# Altium PCB JMU-ETA-Ruler V1.0.PcbDoc (part 1 of 2)
Units mil, origin at the board's own origin, x right, y up, seen from the top; angles counter-clockwise.
Board outline 6151.76 x 960.54 mil, 2 copper layers (Top Layer, Bottom Layer); 27 components, 0 nets, 843 pads, 6 vias.
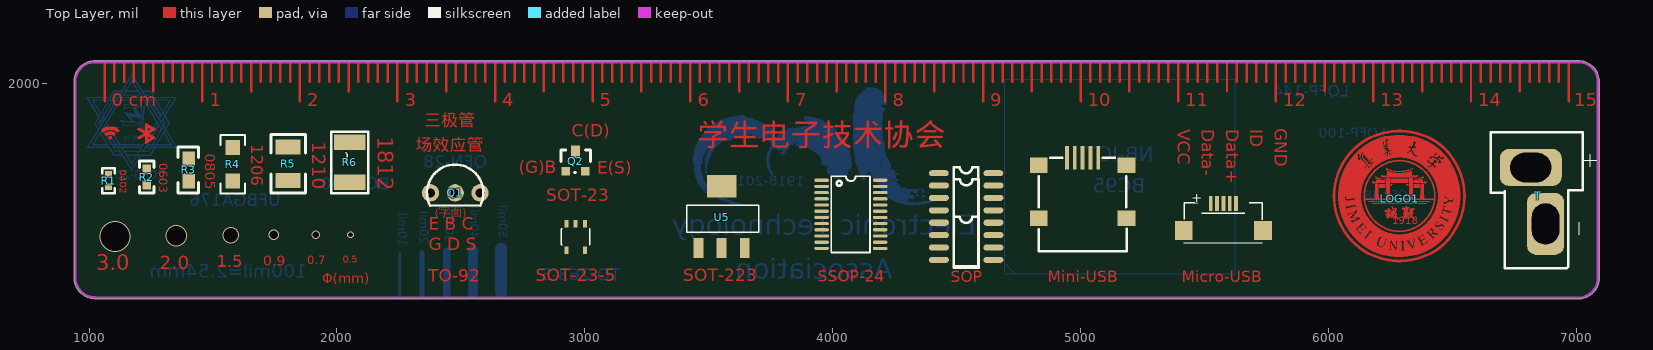
[diagram p0: Top Layer view]
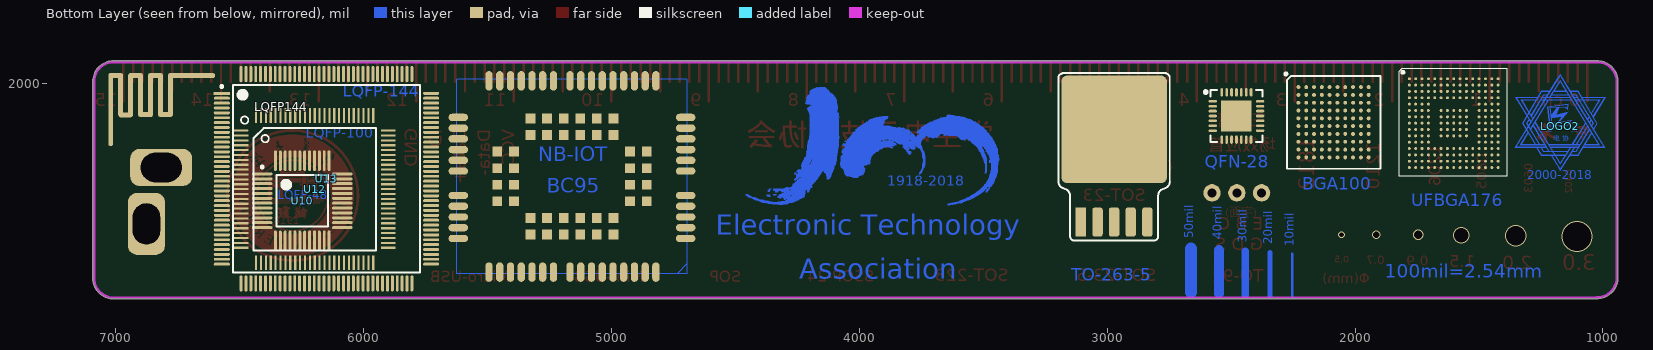
[diagram p1: Bottom Layer view, seen from below]

## Layer stack, top to bottom
Top Solder: solder mask 0.4, Solder Resist, Dk 3.5
Top Layer: signal copper 1.4
Dielectric 1: dielectric 12.6, FR-4, Dk 4.8
Bottom Layer: signal copper 1.4
Bottom Solder: solder mask 0.4, Solder Resist, Dk 3.5

## Board outline
939.87,1216.63 939.87,2007.87 cw(c1023.62,2007.87) 1023.62,2091.63 7007.87,2091.63 cw(c7007.87,2007.87) 7091.63,2007.87 cw(c7086.61,2007.87) 7091.63,2007.84 7091.63,1207 cw(c7086.61,1207) 7091,1204.56 cw(c7007.87,1214.84) 7007.87,1131.09 1024.35,1131.09 cw(c1024.35,1136.1) 1021.19,1132.21 cw(c1024.35,1216.63)

## Design rules (kind name [scope] priority, off if disabled: settings)
Clearance [All] p1: gap=10 ignorepadtopadclearanceinfootprint=FALSE except(0: Arc-Hole Track-Hole SMDPad-Hole THPad-Hole Via-Hole Fill-Hole Poly-Hole Region-Hole Text-Hole)
ComponentClearance [All] p1 off: gap=0 collisioncheckmode=3 verticalgap=0 showdistances=FALSE
PolygonConnect [All] p1: connectstyle=Relief reliefconductorwidth=10 reliefentries=4 polygonreliefangle="90 Angle" airgapwidth=10
RoutingVias [All] p1: holewidth=28 width=50 viastyle="Through Hole" minholewidth=28 minwidth=50 maxholewidth=28 maxwidth=50
SolderMaskExpansion [All] p1: expansion=4
Width [All] p1: maxlimit=393.7 minlimit=10 preferedwidth=10
29 further rules are at their usual default settings.

## Classes and differential pairs
component class 电协ruler: LOGO1 LOGO2 Q1 Q2 R1 R2 R3 R4 R5 R6 T U5 U10 U12 U13

## Components (designator, comment, footprint, x,y, rotation, side; value= is the part's Value field where it differs from the comment)
LOGO1 "JMU_LOGO" JMU_LOGO(1.35cm) 6288,1536 r0 top
LOGO2 "电协LOGO" 电协LOGO 1172,1828 r180 bottom locked
Q1 "NPN" TO-92 2376,1558 r270 top
Q2 "NPN" SOT-23 2923.13,1646 r0 top
R1 "1K" 0402R 1078.74,1583.15 r90 top
R2 "1K" 0603R 1231.3,1594.58 r90 top
R3 "1K" 0805R 1401.57,1651.15 r270 top
R4 "1K" 1206R 1578.74,1676.25 r270 top
R5 "1K" 1210R 1803.15,1609.15 r90 top
R6 "1K" 1812 2052.17,1596.46 r90 top
T "T型头" T型头 6814,1676 r270 top
U5 "AMS1117_3.3/5.0V" SOT-223 3552,1461 r90 top
U7 "CP2102" QFN-28 2574,1928 r270 bottom
U10 "STM32F103C8T6" LQFP-48 6247,1527 r180 bottom
U12 "C8051F020" LQFP-100 6374,1755 r180 bottom
U13 "STM32F407ZET6" LQFP-144 6485,1956 r180 bottom
? "Comment" SO-16 4428,1638.07 r0 top
? "Comment" USBFOOT 5008,1579 r90 top
? "Comment" micro-USB 5581,1432 r0 top
? "Comment" UFBGA176_25 1602,1840 r180 bottom locked
? "Comment" JMU100 4156,1885 r180 top
? "Comment" SSOP-24 3955,1612 r0 top
? "Comment" TO-263-5 2972,1628 r180 bottom
? "Comment" SOT-23-5L 2963,1381 r270 top
? "Comment" "2.4G wifi" 6931.1,1918.31 r90 bottom
? "Comment" SOP-14 4437,1588.07 r0 top
? "Comment" so-8 4428,1438.07 r0 top

## Footprints (in the part's own frame and the unit in brackets; to place one, negate y for a bottom-side part, rotate by r counter-clockwise, add the part's x,y. Pads: shape width x height; smd on the part's side, far side on the other; paste and mask are expansions set on the pad)
"2.4G wifi" [mm]
  oval 0.5x1.5 smd: 1(-1.14,0.72) 1(-1.12,-1.32) 1(-1.11,-3.36) 1(2.9,-2.34) 1(2.9,-0.3) 1(2.9,1.74)
  oval 7.5x0.5 smd: 1(-0.6,2.25)
  oval 4.5x0.5 smd: 1(0.89,-3.87) 1(0.89,-2.85) 1(0.89,-1.83) 1(0.89,-0.81) 1(0.89,0.21) 1(0.89,1.23)
  oval 0.5x4.8 smd: 1(2.89,-6.05)
0402R [mm]
  rect 0.7x0.7 smd: 1(0,0) 2(1.27,0)
  silkscreen extent -0.64,-0.64 1.91,0.64, body extent 0.21,-0.2 1.21,0.3, height 0.35
0603R [mil]
  rect 40x35 smd: 1(-2,-1) 2(58,-1)
  silkscreen extent -35,-30 92,28, body extent -5,-17 61,15, height 22
0805R [mil]
  rect 60x50 smd: 1(-45,0) 2(45,0)
  silkscreen extent -92,-42 92,41, body extent -38,-25 40,25, height 22
1206R [mil]
  rect 60x60 smd: 1(-65.9,1.2) 2(69.1,1.2)
  silkscreen extent -116,-49 119,51, body extent -63,-30 63,33, height 24
1210R [mil]
  rect 60x100 smd: 1(0,0) 2(135,0)
  silkscreen extent -50,-70 185,70, body extent -12,-49 146,49, height 67
1812 [mm]
  rect 1.6x3.2 smd: 1(0.127,0) 2(4.227,0)
  silkscreen extent -0.97,-1.9 5.33,1.9, body extent -0.07,-1.6 4.43,1.6, height 1.6
JMU100 [mil]
  Bottom Layer drawing of 979 lines, arcs and shapes, not listed
JMU_LOGO(1.35cm) [mil]
  Top Layer drawing of 2455 lines, arcs and shapes, not listed
LQFP-48 [mm]
  oval 2.1x0.3 smd: 1(-4.1,2.75) 2(-4.1,2.25) 3(-4.1,1.75) 4(-4.1,1.25) 5(-4.1,0.75) 6(-4.1,0.25) 7(-4.1,-0.25) 8(-4.1,-0.75) 9(-4.1,-1.25) 10(-4.1,-1.75) 11(-4.1,-2.25) 12(-4.1,-2.75) 25(4.1,-2.75) 26(4.1,-2.25) 27(4.1,-1.75) 28(4.1,-1.25) 29(4.1,-0.75) 30(4.1,-0.25) 31(4.1,0.25) 32(4.1,0.75) 33(4.1,1.25) 34(4.1,1.75) 35(4.1,2.25) 36(4.1,2.75)
  oval 0.3x2.1 smd: 13(-2.75,-4.1) 14(-2.25,-4.1) 15(-1.75,-4.1) 16(-1.25,-4.1) 17(-0.75,-4.1) 18(-0.25,-4.1) 19(0.25,-4.1) 20(0.75,-4.1) 21(1.25,-4.1) 22(1.75,-4.1) 23(2.25,-4.1) 24(2.75,-4.1) 37(2.75,4.1) 38(2.25,4.1) 39(1.75,4.1) 40(1.25,4.1) 41(0.75,4.1) 42(0.25,4.1) 43(-0.25,4.1) 44(-0.75,4.1) 45(-1.25,4.1) 46(-1.75,4.1) 47(-2.25,4.1) 48(-2.75,4.1)
  silkscreen extent -4.23,-2.65 2.65,3.57, body extent -4.5,-4.5 4.5,4.5, height 1.5
LQFP-100 [mm]
  oval 1.5x0.22 smd: 1(-3.048,1.397)
  rect 1.5x0.22 smd: 2(-3.048,0.897) 3(-3.048,0.397) 4(-3.048,-0.103) 5(-3.048,-0.603) 6(-3.048,-1.103) 7(-3.048,-1.603) 8(-3.048,-2.103) 9(-3.048,-2.603) 10(-3.048,-3.103) 11(-3.048,-3.603) 12(-3.048,-4.103) 13(-3.048,-4.603) 14(-3.048,-5.103) 15(-3.048,-5.603) 16(-3.048,-6.103) 17(-3.048,-6.603) 18(-3.048,-7.103) 19(-3.048,-7.603) 20(-3.048,-8.103) 21(-3.048,-8.603) 22(-3.048,-9.103) 23(-3.048,-9.603) 24(-3.048,-10.103) 25(-3.048,-10.603) 51(12.05,-10.603) 52(12.05,-10.103) 53(12.05,-9.603) 54(12.05,-9.103) 55(12.05,-8.603) 56(12.05,-8.103) 57(12.05,-7.603) 58(12.05,-7.103) 59(12.05,-6.603) 60(12.05,-6.103) 61(12.05,-5.603) 62(12.05,-5.103) 63(12.05,-4.603) 64(12.05,-4.103) 65(12.05,-3.603) 66(12.05,-3.103) 67(12.05,-2.603) 68(12.05,-2.103) 69(12.05,-1.603) 70(12.05,-1.103) 71(12.05,-0.603) 72(12.05,-0.103) 73(12.05,0.397) 74(12.05,0.897) 75(12.05,1.397)
  rect 0.22x1.5 smd: 26(-1.499,-12.152) 27(-0.999,-12.152) 28(-0.499,-12.152) 29(0.001,-12.152) 30(0.501,-12.152) 31(1.001,-12.152) 32(1.501,-12.152) 33(2.001,-12.152) 34(2.501,-12.152) 35(3.001,-12.152) 36(3.501,-12.152) 37(4.001,-12.152) 38(4.501,-12.152) 39(5.001,-12.152) 40(5.501,-12.152) 41(6.001,-12.152) 42(6.501,-12.152) 43(7.001,-12.152) 44(7.501,-12.152) 45(8.001,-12.152) 46(8.501,-12.152) 47(9.001,-12.152) 48(9.501,-12.152) 49(10.001,-12.152) 50(10.501,-12.152) 76(10.501,2.946) 77(10.001,2.946) 78(9.501,2.946) 79(9.001,2.946) 80(8.501,2.946) 81(8.001,2.946) 82(7.501,2.946) 83(7.001,2.946) 84(6.501,2.946) 85(6.001,2.946) 86(5.501,2.946) 87(5.001,2.946) 88(4.501,2.946) 89(4.001,2.946) 90(3.501,2.946) 91(3.001,2.946) 92(2.501,2.946) 93(2.001,2.946) 94(1.501,2.946) 95(1.001,2.946) 96(0.501,2.946) 97(0.001,2.946) 98(-0.499,2.946) 99(-0.999,2.946) 100(-1.499,2.946)
  silkscreen extent -3.06,-10.87 10.76,2.86, body extent -3.57,-12.68 12.57,3.47, height 1.62
LQFP-144 [mm]
  rect 1.651x0.3 smd: 1(-2.199,0.11)
  oval 1.651x0.3 smd: 2(-2.199,-0.39) 3(-2.199,-0.89) 4(-2.199,-1.39) 5(-2.199,-1.89) 6(-2.199,-2.39) 7(-2.199,-2.89) 8(-2.199,-3.39) 9(-2.199,-3.89) 10(-2.199,-4.39) 11(-2.199,-4.89) 12(-2.199,-5.39) 13(-2.199,-5.89) 14(-2.199,-6.39) 15(-2.199,-6.89) 16(-2.199,-7.39) 17(-2.199,-7.89) 18(-2.199,-8.39) 19(-2.199,-8.89) 20(-2.199,-9.39) 21(-2.199,-9.89) 22(-2.199,-10.39) 23(-2.199,-10.89) 24(-2.199,-11.39) 25(-2.199,-11.89) 26(-2.199,-12.39) 27(-2.199,-12.89) 28(-2.199,-13.39) 29(-2.199,-13.89) 30(-2.199,-14.39) 31(-2.199,-14.89) 32(-2.199,-15.39) 33(-2.199,-15.89) 34(-2.199,-16.39) 35(-2.199,-16.89) 36(-2.199,-17.39) 73(19.251,-17.39) 74(19.251,-16.89) 75(19.251,-16.39) 76(19.251,-15.89) 77(19.251,-15.39) 78(19.251,-14.89) 79(19.251,-14.39) 80(19.251,-13.89) 81(19.251,-13.39) 82(19.251,-12.89) 83(19.251,-12.39) 84(19.251,-11.89) 85(19.251,-11.39) 86(19.251,-10.89) 87(19.251,-10.39) 88(19.251,-9.89) 89(19.251,-9.39) 90(19.251,-8.89) 91(19.251,-8.39) 92(19.251,-7.89) 93(19.251,-7.39) 94(19.251,-6.89) 95(19.251,-6.39) 96(19.251,-5.89) 97(19.251,-5.39) 98(19.251,-4.89) 99(19.251,-4.39) 100(19.251,-3.89) 101(19.251,-3.39) 102(19.251,-2.89) 103(19.251,-2.39) 104(19.251,-1.89) 105(19.251,-1.39) 106(19.251,-0.89) 107(19.251,-0.39) 108(19.251,0.11)
  oval 0.3x1.651 smd: 37(-0.224,-19.365) 38(0.276,-19.365) 39(0.776,-19.365) 40(1.276,-19.365) 41(1.776,-19.365) 42(2.276,-19.365) 43(2.776,-19.365) 44(3.276,-19.365) 45(3.776,-19.365) 46(4.276,-19.365) 47(4.776,-19.365) 48(5.276,-19.365) 49(5.776,-19.365) 50(6.276,-19.365) 51(6.776,-19.365) 52(7.276,-19.365) 53(7.776,-19.365) 54(8.276,-19.365) 55(8.776,-19.365) 56(9.276,-19.365) 57(9.776,-19.365) 58(10.276,-19.365) 59(10.776,-19.365) 60(11.276,-19.365) 61(11.776,-19.365) 62(12.276,-19.365) 63(12.776,-19.365) 64(13.276,-19.365) 65(13.776,-19.365) 66(14.276,-19.365) 67(14.776,-19.365) 68(15.276,-19.365) 69(15.776,-19.365) 70(16.276,-19.365) 71(16.776,-19.365) 72(17.276,-19.365) 109(17.276,2.085) 110(16.776,2.085) 111(16.276,2.085) 112(15.776,2.085) 113(15.276,2.085) 114(14.776,2.085) 115(14.276,2.085) 116(13.776,2.085) 117(13.276,2.085) 118(12.776,2.085) 119(12.276,2.085) 120(11.776,2.085) 121(11.276,2.085) 122(10.776,2.085) 123(10.276,2.085) 124(9.776,2.085) 125(9.276,2.085) 126(8.776,2.085) 127(8.276,2.085) 128(7.776,2.085) 129(7.276,2.085) 130(6.776,2.085) 131(6.276,2.085) 132(5.776,2.085) 133(5.276,2.085) 134(4.776,2.085) 135(4.276,2.085) 136(3.776,2.085) 137(3.276,2.085) 138(2.776,2.085) 139(2.276,2.085) 140(1.776,2.085) 141(1.276,2.085) 142(0.776,2.085) 143(0.276,2.085) 144(-0.224,2.085)
  silkscreen extent -2.32,-18.24 18.13,0.96, body extent -2.47,-19.64 19.53,2.36, height 1.6
micro-USB [mm]
  rect 0.4x1.55 smd: 1(-1.423,2.116) 2(-0.773,2.116) 3(-0.123,2.116) 4(0.527,2.116) 5(1.177,2.116)
  rect 1.8x1.9 smd: 6(-4.173,-0.634) 6(3.927,-0.634)
  silkscreen extent -4.17,-1.88 3.88,2.22, body extent -4.07,-2.7 3.88,3.08, height 2.47
QFN-28 [mm]
  rect 3.13x3.13 smd mask+0.051: 0(1.5,2.425)
  oval 0.28x0.85 smd mask+0.051: 1(0,0) 2(0.5,0) 3(1,0) 4(1.5,0) 5(2,0) 6(2.5,0) 7(3,0) 15(3,4.85) 16(2.5,4.85) 17(2,4.85) 18(1.5,4.85) 19(1,4.85) 20(0.5,4.85) 21(0,4.85)
  oval 0.85x0.28 smd mask+0.051: 8(3.925,0.925) 9(3.925,1.425) 10(3.925,1.925) 11(3.925,2.425) 12(3.925,2.925) 13(3.925,3.425) 14(3.925,3.925) 22(-0.925,3.925) 23(-0.925,3.425) 24(-0.925,2.925) 25(-0.925,2.425) 26(-0.925,1.925) 27(-0.925,1.425) 28(-0.925,0.925)
  silkscreen extent -1.15,-0.87 4.15,5.07, body extent -1,-0.06 4,4.94, height 1
so-8 [mil]
  oval 80x24 smd: 1(0,0) 2(0,-50) 3(0,-100) 4(0,-150) 5(220,-150) 6(220,-100) 7(220,-50) 8(220,0)
  silkscreen extent 60,-175 160,25, body extent -10,-171 217,22, height 57
SO-16 [mil]
  oval 80x24 smd: 1(0,0) 2(0,-50) 3(0,-100) 4(0,-150) 5(0,-200) 6(0,-250) 7(0,-300) 8(0,-350) 9(220,-350) 10(220,-300) 11(220,-250) 12(220,-200) 13(220,-150) 14(220,-100) 15(220,-50) 16(220,0)
  silkscreen extent 60,-375 160,25, body extent -12,-378 224,24, height 67
SOP-14 [mil]
  oval 80x24 smd: 1(-8.54,0.68) 2(-8.54,-49.32) 3(-8.54,-99.32) 4(-8.54,-149.32) 5(-8.54,-199.32) 6(-8.54,-249.32) 7(-8.54,-299.32) 8(211.46,-299.32) 9(211.46,-249.32) 10(211.46,-199.32) 11(211.46,-149.32) 12(211.46,-99.32) 13(211.46,-49.32) 14(211.46,0.68)
  silkscreen extent 51,-331 151,26, body extent -43,-349 244,52, height 43
SOT-23 [mil]
  rect 36x36 smd: 1(0,0) 2(78.74,0)
  rect 36x50 smd: 3(39.37,78.74)
  silkscreen extent -20,-5 99,85, body extent -20,-18 98,81, height 41
SOT-23-5L [mil] "Enhanced single channel power switches"
  rect 30x16 smd: 1(-53.15,37.4) 2(-53.15,0) 3(-53.15,-37.4) 4(53.15,-37.4) 5(53.15,37.4)
  silkscreen extent -33,-58 32,57, body extent -34,-59 34,59, height 57
SOT-223 [mil] "Adjustable and fixed low drop positive voltage regulator"
  rect 80x40 smd: 1(-125,93) 2(-125,0) 3(-125,-93)
  rect 90x120 smd: 4(125,0)
  silkscreen extent -62,-149 48,141, body extent -84,-132 62,132, height 71
SSOP-24 [mm]
  oval 1.5x0.33 smd: 1(0,-0.057) 2(0,-0.692) 3(0,-1.327) 4(0,-1.962) 5(0,-2.597) 6(0,-3.232) 7(0,-3.867) 8(0,-4.502) 9(0,-5.137) 10(0,-5.772) 11(0,-6.407) 12(0,-7.042) 13(6,-7.042) 14(6,-6.407) 15(6,-5.772) 16(6,-5.137) 17(6,-4.502) 18(6,-3.867) 19(6,-3.232) 20(6,-2.597) 21(6,-1.962) 22(6,-1.327) 23(6,-0.692) 24(6,-0.057)
  silkscreen extent 0.99,-7.45 4.98,0.35, body extent -0.98,-7.83 6.93,0.57, height 2.27
TO-92 [mil]
  round 70 hole 36: 1(-1,1) 2(-1,101) 3(-1,201)
  silkscreen extent -115,-13 51,215, body extent -101,-25 64,201, height 328
TO-263-5 [mm]
  rect 1.07x3 smd: 1(-3.4,-4.75)
  rrect50% 1.07x3 smd: 2(-1.7,-4.75) 3(0,-4.75) 4(1.7,-4.75) 5(3.4,-4.75)
  rrect10% 10.8x11 smd: 3(0,4.75)
  silkscreen extent -5.7,-6.66 5.7,10.5, body extent -5.14,-4.8 5.09,9.55, height 4.48
T型头 [mil]
  rrect50% 150x250 hole 120 slot 165.35 at 90 deg: 1(14.7,2.1)
  rrect50% 250x150 hole 110 slot 165.35 at 0 deg: 2(242.42,61.67)
  silkscreen extent -128,-159 421,267, body extent -105,-124 368,163, height 555
UFBGA176_25 [mm] "BGA, 1-Leads, Body 10.00x10.00mmx0.60mm, Pitch 0.65mm"
  round 0.3 smd paste-0.15 mask+0.051: A1(-4.55,4.55) A2(-3.9,4.55) A3(-3.25,4.55) A4(-2.6,4.55) A5(-1.95,4.55) A6(-1.3,4.55) A7(-0.65,4.55) A8(0,4.55) A9(0.65,4.55) A10(1.3,4.55) A11(1.95,4.55) A12(2.6,4.55) A13(3.25,4.55) A14(3.9,4.55) A15(4.55,4.55) B1(-4.55,3.9) B2(-3.9,3.9) B3(-3.25,3.9) B4(-2.6,3.9) B5(-1.95,3.9) B6(-1.3,3.9) B7(-0.65,3.9) B8(0,3.9) B9(0.65,3.9) B10(1.3,3.9) B11(1.95,3.9) B12(2.6,3.9) B13(3.25,3.9) B14(3.9,3.9) B15(4.55,3.9) C1(-4.55,3.25) C2(-3.9,3.25) C3(-3.25,3.25) C4(-2.6,3.25) C5(-1.95,3.25) C6(-1.3,3.25) C7(-0.65,3.25) C8(0,3.25) C9(0.65,3.25) C10(1.3,3.25) C11(1.95,3.25) C12(2.6,3.25) C13(3.25,3.25) C14(3.9,3.25) C15(4.55,3.25) D1(-4.55,2.6) D2(-3.9,2.6) D3(-3.25,2.6) D4(-2.6,2.6) D5(-1.95,2.6) D6(-1.3,2.6) D7(-0.65,2.6) D8(0,2.6) D9(0.65,2.6) D10(1.3,2.6) D11(1.95,2.6) D12(2.6,2.6) D13(3.25,2.6) D14(3.9,2.6) D15(4.55,2.6) E1(-4.55,1.95) E2(-3.9,1.95) E3(-3.25,1.95) E4(-2.6,1.95) E12(2.6,1.95) E13(3.25,1.95) E14(3.9,1.95) E15(4.55,1.95) F1(-4.55,1.3) F2(-3.9,1.3) F3(-3.25,1.3) F4(-2.6,1.3) F6(-1.3,1.3) F7(-0.65,1.3) F8(0,1.3) F9(0.65,1.3) F10(1.3,1.3) F12(2.6,1.3) F13(3.25,1.3) F14(3.9,1.3) F15(4.55,1.3) G1(-4.55,0.65) G2(-3.9,0.65) G3(-3.25,0.65) G4(-2.6,0.65) G6(-1.3,0.65) G7(-0.65,0.65) G8(0,0.65) G9(0.65,0.65) G10(1.3,0.65) G12(2.6,0.65) G13(3.25,0.65) G14(3.9,0.65) G15(4.55,0.65) H1(-4.55,0) H2(-3.9,0) H3(-3.25,0) H4(-2.6,0) H6(-1.3,0) H7(-0.65,0) H8(0,0) H9(0.65,0) H10(1.3,0) H12(2.6,0) H13(3.25,0) H14(3.9,0) H15(4.55,0) J1(-4.55,-0.65) J2(-3.9,-0.65) J3(-3.25,-0.65) J4(-2.6,-0.65) J6(-1.3,-0.65) J7(-0.65,-0.65) J8(0,-0.65) J9(0.65,-0.65) J10(1.3,-0.65) J12(2.6,-0.65) J13(3.25,-0.65) J14(3.9,-0.65) J15(4.55,-0.65) K1(-4.55,-1.3) K2(-3.9,-1.3) K3(-3.25,-1.3) K4(-2.6,-1.3) K6(-1.3,-1.3) K7(-0.65,-1.3) K8(0,-1.3) K9(0.65,-1.3) K10(1.3,-1.3) K12(2.6,-1.3) K13(3.25,-1.3) K14(3.9,-1.3) K15(4.55,-1.3) L1(-4.55,-1.95) L2(-3.9,-1.95) L3(-3.25,-1.95) L4(-2.6,-1.95) L12(2.6,-1.95) L13(3.25,-1.95) L14(3.9,-1.95) L15(4.55,-1.95) M1(-4.55,-2.6) M2(-3.9,-2.6) M3(-3.25,-2.6) M4(-2.6,-2.6) M5(-1.95,-2.6) M6(-1.3,-2.6) M7(-0.65,-2.6) M8(0,-2.6) M9(0.65,-2.6) M10(1.3,-2.6) M11(1.95,-2.6) M12(2.6,-2.6) M13(3.25,-2.6) M14(3.9,-2.6) M15(4.55,-2.6) N1(-4.55,-3.25) N2(-3.9,-3.25) N3(-3.25,-3.25) N4(-2.6,-3.25) N5(-1.95,-3.25) N6(-1.3,-3.25) N7(-0.65,-3.25) N8(0,-3.25) N9(0.65,-3.25) N10(1.3,-3.25) N11(1.95,-3.25) N12(2.6,-3.25) N13(3.25,-3.25) N14(3.9,-3.25) N15(4.55,-3.25) P1(-4.55,-3.9) P2(-3.9,-3.9) P3(-3.25,-3.9) P4(-2.6,-3.9) P5(-1.95,-3.9) P6(-1.3,-3.9) P7(-0.65,-3.9) P8(0,-3.9) P9(0.65,-3.9) P10(1.3,-3.9) P11(1.95,-3.9) P12(2.6,-3.9) P13(3.25,-3.9) P14(3.9,-3.9) P15(4.55,-3.9) R1(-4.55,-4.55) R2(-3.9,-4.55) R3(-3.25,-4.55) R4(-2.6,-4.55) R5(-1.95,-4.55) R6(-1.3,-4.55) R7(-0.65,-4.55) R8(0,-4.55) R9(0.65,-4.55) R10(1.3,-4.55) R11(1.95,-4.55) R12(2.6,-4.55) R13(3.25,-4.55) R14(3.9,-4.55) R15(4.55,-4.55)
  silkscreen extent -5.59,-5.46 5.46,5.59, body extent -5.02,-5.02 5.03,5.03, height 0.61
USBFOOT [mm]
  rect 1.6x1.8 smd: 0(-3.1,4.5) 0(-3.1,-4.5) 0(2.3,4.5) 0(2.3,-4.5)
  rect 2.4x0.4 smd: 1(3.1,1.6) 2(3.1,0.8) 3(3.1,0) 4(3.1,-0.8) 5(3.1,-1.6)
  silkscreen extent -6.5,-4.52 3.1,4.5, body extent -6.02,-4.9 3.22,5, height 3.93
电协LOGO [mil]
  Top Layer region: -12.1,75.24 -37.85,42.49 -36.1,32.74 4.9,38.74 -11.1,14.74 -5.1,14.74 31.9,57.74 -16.6,46.74 -3.6,76.74
  Top Layer region: -1.1,209.74 -12.1,192.74 -184.1,-86.26 -176.1,-86.26 -57.1,-86.31 -55.1,-83.26 -61.75,-72.19 -65.1,-73.26 -156.1,-73.26 -129.1,-29.26 -131.1,-25.26 -163.1,-76.26 -63.1,-76.26 -58.6,-83.26 -178.1,-83.26 -1.1,202.74 52.9,114.74 174.9,-83.26 94.9,-83.26 92.9,-86.26 180.9,-86.26 170.9,-70.26
  Top Layer region: -44.1,116.74 -30.1,137.74 -1.1,185.74 159.9,-76.26 98.9,-76.26 100.9,-73.26 153.9,-73.26 -1.1,179.74 -40.1,116.74
  Top Layer region: 48.9,126.74 64.9,126.74 133.9,11.74 126.9,-0.26 124.9,3.74 129.9,11.74 62.9,123.74 50.9,123.74
  Top Layer region: -46.1,-73.26 23.9,-73.26 79.9,-73.26 78.9,-76.26 -46.1,-76.26
  Top Layer region: -40.1,-83.26 29.9,-83.26 75.9,-83.26 74.9,-86.26 -40.1,-86.26
  Top Layer region: -66.1,-101.26 -24.1,-101.26 31.9,-101.26 30.9,-104.26 -68.1,-104.26 -79.1,-85.26 -75.1,-86.26
  Top Layer region: 39.9,141.74 72.9,141.74 149.9,9.74 134.9,-15.26 132.9,-11.26 145.9,9.74 70.9,138.74 39.9,138.74
  Top Layer region: -43.1,141.74 -77.03,141.74 -153.1,10.74 -101.56,-75.17 -99.1,-73.26 -149.1,10.74 -75.1,138.74 -43.1,138.74
  Top Layer region: -91.1,116.74 -182.1,116.74 -119.1,15.74 -117.1,17.74 -176.1,113.74 -93.1,113.74
  Top Layer region: -95.6,106.74 -160.6,106.74 -112.1,28.74 -109.1,29.74 -154.6,103.74 -99.1,103.74
  Top Layer region: -51.1,104.74 -121.6,-10.76 -119.6,-13.76 -47.1,104.74
  Top Layer region: 101.9,15.74 46.9,-73.76 47.9,-75.26 51.9,-73.26 103.9,12.74
  Top Layer region: 109.9,3.74 61.9,-74.26 65.9,-75.26 111.9,0.74
  Top Layer region: 116.76,-10.47 62.9,-101.26 47.9,-101.26 46.9,-104.26 64.9,-104.26 119.9,-12.26
  Top Layer region: 125.9,-23.26 70.9,-116.26 37.9,-116.26 35.9,-119.26 72.9,-119.26 127.9,-27.26
  Top Layer region: -125.1,25.74 -125.72,29.35 -137.1,10.74 -85.56,-75.17 -83.1,-73.26 -133.1,10.74 -122.8,26.44
  Top Layer region: -74.6,-116.26 -32.6,-116.26 23.4,-116.26 22.4,-119.26 -76.6,-119.26 -96.6,-84.26 -92.6,-85.26
  Top Layer region: -37.1,-119.26 -13.1,-158.26 -0.82,-179.09 59.9,-84.26 55.9,-84.26 -0.82,-172.26 -34.1,-117.26 -37.1,-118.26
  Top Layer region: -102.86,14.35 -13.1,-133.26 -0.82,-154.09 43.9,-84.26 39.9,-84.26 -0.82,-147.26 -34.1,-92.26 -102.1,18.74
  Top Layer region: -110.86,2.35 -46.94,-102.76 -43.6,-102.76 -43.98,-101.19 -110.1,6.74
  Top Layer region: 32.9,89.74 29.9,66.74 16.9,76.74 18.9,78.74 27.9,71.74 29.9,86.74 -49.1,76.74 -41.6,3.24 29.9,4.74 40.9,19.74 -35.1,9.74 -43.1,75.74 18.9,78.74 16.9,76.74 -40.1,73.74 -33.1,12.74 41.9,22.74 46.9,23.74 30.9,2.74 -44.1,0.74 -52.1,78.74
  Top Layer region: -70.1,116.74 38.9,116.74 38.9,115.74 39.9,113.74 -72.1,113.74
  Top Layer region: -79.1,103.74 -77.1,106.74 43.9,106.74 45.9,103.74
  Top Layer region: -37.1,126.74 32.9,126.74 31.9,126.74 33.9,125.74 33.9,123.74 -39.1,123.74
  Top Layer region: -52.1,126.74 -68.1,126.74 -118.6,43.24 -116.1,40.74 -66.1,123.74 -54.1,123.74
  Top Layer region: 68.9,116.74 54.9,116.74 52.9,114.74 56.9,114.74 57.9,113.74 68.9,113.74
  Top Layer region: 75.9,106.74 61.9,106.74 59.9,104.74 62.9,103.74 75.9,103.74
  Top Layer region: -26.1,141.74 23.9,141.74 24.9,140.74 25.9,139.74 26.9,138.74 -28.1,138.74
  Top Layer region: 86.9,116.74 182.9,116.74 183.9,116.74 133.9,36.74 131.4,39.24 177.9,113.74 87.9,113.74
  Top Layer region: 64.9,106.74 160.9,106.74 161.9,106.74 124.9,47.74 123.9,52.74 155.9,103.74 65.9,103.74
  Top Layer region: 108.9,27.74 114.9,37.74 116.9,35.74 116.9,33.74 111.9,25.74 109.9,25.74
  Top Layer region: 116.9,14.74 122.9,24.74 124.9,22.74 124.9,20.74 119.9,12.74 117.9,12.74

## Part data
LOGO1: "LOGO"
Q1 Q2: "NPN三极管"
R1 R2 R3 R4 R5 R6: library part Res, "电阻"
T: "T型接头"
U5: library part AMS1117-3.3V/5.0V, "电源芯片"
U10: "STM32单片机48引脚"
U12: "020单片机"
U13: "STM32单片机144引脚"

## Free pads (board coordinates)
  oval 29.53x78.74 smd far side: 1(4820.42,1239.17) 2(4863.72,1239.17) 3(4907.03,1239.17) 4(4950.34,1239.17) 5(4993.65,1239.17) 6(5036.95,1239.17) 7(5080.26,1239.17) 8(5123.57,1239.17) 9(5166.87,1239.17) 10(5233.8,1239.17) 11(5277.11,1239.17) 12(5320.42,1239.17) 13(5363.72,1239.17) 14(5407.03,1239.17) 15(5450.34,1239.17) 16(5493.65,1239.17) 28(5493.65,2010.83) 29(5450.34,2010.83) 30(5407.03,2010.83) 31(5363.72,2010.83) 32(5320.42,2010.83) 33(5277.11,2010.83) 34(5233.8,2010.83) 35(5166.87,2010.83) 36(5123.57,2010.83) 37(5080.26,2010.83) 38(5036.95,2010.83) 39(4993.65,2010.83) 40(4950.34,2010.83) 41(4907.03,2010.83) 42(4863.72,2010.83) 43(4820.42,2010.83)
  oval 78.74x29.53 smd far side: 17(5617.66,1375) 18(5617.66,1418.31) 19(5617.66,1461.61) 20(5617.66,1504.92) 21(5617.66,1548.23) 22(5617.66,1646.65) 23(5617.66,1689.96) 24(5617.66,1733.27) 25(5617.66,1776.57) 26(5617.66,1819.88) 27(5617.66,1863.19) 44(4700.34,1863.19) 45(4700.34,1819.88) 46(4700.34,1776.57) 47(4700.34,1733.27) 48(4700.34,1689.96) 49(4700.34,1646.65) 50(4700.34,1548.23) 51(4700.34,1504.92) 52(4700.34,1461.61) 53(4700.34,1418.31) 54(4700.34,1375)
  rect 39.37x39.37 smd far side: 55(4991.68,1390.75) 56(5058.61,1390.75) 57(5125.54,1390.75) 58(5192.46,1390.75) 59(5259.39,1390.75) 60(5326.32,1390.75) 61(5460.18,1524.61) 62(5460.18,1591.54) 63(5460.18,1658.46) 64(5460.18,1725.39) 65(5326.32,1859.25) 66(5259.39,1859.25) 67(5192.46,1859.25) 68(5125.54,1859.25) 69(5058.61,1859.25) 70(4991.68,1859.25) 71(4857.82,1725.39) 72(4857.82,1658.46) 73(4857.82,1591.54) 74(4857.82,1524.61) 75(4991.68,1457.68) 76(5058.61,1457.68) 77(5125.54,1457.68) 78(5192.46,1457.68) 79(5259.39,1457.68) 80(5326.32,1457.68) 81(5393.25,1524.61) 82(5393.25,1591.54) 83(5393.25,1658.46) 84(5393.25,1725.39) 85(5326.32,1792.32) 86(5259.39,1792.32) 87(5192.46,1792.32) 88(5125.54,1792.32) 89(5058.61,1792.32) 90(4991.68,1792.32) 91(4924.75,1725.39) 92(4924.75,1658.46) 93(4924.75,1591.54) 94(4924.75,1524.61)
  round 15.75 smd far side: A1(2228.61,1985.45) A2(2228.61,1953.95) A3(2228.61,1922.46) A4(2228.61,1890.96) A5(2228.61,1859.46) A6(2228.61,1827.97) A7(2228.61,1796.47) A8(2228.61,1764.98) A9(2228.61,1733.48) A10(2228.61,1701.98) B1(2197.11,1985.45) B2(2197.11,1953.95) B3(2197.11,1922.46) B4(2197.11,1890.96) B5(2197.11,1859.46) B6(2197.11,1827.97) B7(2197.11,1796.47) B8(2197.11,1764.98) B9(2197.11,1733.48) B10(2197.11,1701.98) C1(2165.61,1985.45) C2(2165.61,1953.95) C3(2165.61,1922.46) C4(2165.61,1890.96) C5(2165.61,1859.46) C6(2165.61,1827.97) C7(2165.61,1796.47) C8(2165.61,1764.98) C9(2165.61,1733.48) C10(2165.61,1701.98) D1(2134.12,1985.45) D2(2134.12,1953.95) D3(2134.12,1922.46) D4(2134.12,1890.96) D5(2134.12,1859.46) D6(2134.12,1827.97) D7(2134.12,1796.47) D8(2134.12,1764.98) D9(2134.12,1733.48) D10(2134.12,1701.98) E1(2102.62,1985.45) E2(2102.62,1953.95) E3(2102.62,1922.46) E4(2102.62,1890.96) E5(2102.62,1859.46) E6(2102.62,1827.97) E7(2102.62,1796.47) E8(2102.62,1764.98) E9(2102.62,1733.48) E10(2102.62,1701.98) F1(2071.13,1985.45) F2(2071.13,1953.95) F3(2071.13,1922.46) F4(2071.13,1890.96) F5(2071.13,1859.46) F6(2071.13,1827.97) F7(2071.13,1796.47) F8(2071.13,1764.98) F9(2071.13,1733.48) F10(2071.13,1701.98) G1(2039.63,1985.45) G2(2039.63,1953.95) G3(2039.63,1922.46) G4(2039.63,1890.96) G5(2039.63,1859.46) G6(2039.63,1827.97) G7(2039.63,1796.47) G8(2039.63,1764.98) G9(2039.63,1733.48) G10(2039.63,1701.98) H1(2008.13,1985.45) H2(2008.13,1953.95) H3(2008.13,1922.46) H4(2008.13,1890.96) H5(2008.13,1859.46) H6(2008.13,1827.97) H7(2008.13,1796.47) H8(2008.13,1764.98) H9(2008.13,1733.48) H10(2008.13,1701.98) J1(1976.64,1985.45) J2(1976.64,1953.95) J3(1976.64,1922.46) J4(1976.64,1890.96) J5(1976.64,1859.46) J6(1976.64,1827.97) J7(1976.64,1796.47) J8(1976.64,1764.98) J9(1976.64,1733.48) J10(1976.64,1701.98) K1(1945.14,1985.45) K2(1945.14,1953.95) K3(1945.14,1922.46) K4(1945.14,1890.96) K5(1945.14,1859.46) K6(1945.14,1827.97) K7(1945.14,1796.47) K8(1945.14,1764.98) K9(1945.14,1733.48) K10(1945.14,1701.98)

## Via types
v1: diameter 125.98, hole 118.11, Top Layer to Bottom Layer, 1 vias
v2: diameter 86.61, hole 78.74, Top Layer to Bottom Layer, 1 vias
v3: diameter 66.93, hole 59.06, Top Layer to Bottom Layer, 1 vias
v4: diameter 43.31, hole 35.43, Top Layer to Bottom Layer, 1 vias
v5: diameter 35.43, hole 27.56, Top Layer to Bottom Layer, 1 vias
v6: diameter 27.56, hole 19.68, Top Layer to Bottom Layer, 1 vias

## Nets (pads, with @x,y where several pads share a name; then routed paths per layer and width w, separated by ;. In a path a pad name is that pad's centre, name@x,y a point inside that pad or via, vN(x,y) a via of type N, cw(c..) or ccw(c..) an arc to the next point about the centre after c; other vN are vias at no path point)
pads on no net: ?.0 ?.1 ?.2 ?.3 ?.4 ?.5 ?.6 ?.7 ?.8 ?.9 ?.10 ?.11 ?.12 ?.13 ?.14 ?.15 ?.16 ?.17 ?.18 ?.19 ?.20 ?.21 ?.22 ?.23 ?.24 ?.A1 ?.A2 ?.A3 ?.A4 ?.A5 ?.A6 ?.A7 ?.A8 ?.A9 ?.A10 ?.A11 ?.A12 ?.A13 ?.A14 ?.A15 ?.B1 ?.B2 ?.B3 ?.B4 ?.B5 ?.B6 ?.B7 ?.B8 ?.B9 ?.B10 ?.B11 ?.B12 ?.B13 ?.B14 ?.B15 ?.C1 ?.C2 ?.C3 ?.C4 ?.C5 ?.C6 ?.C7 ?.C8 ?.C9 ?.C10 ?.C11 ?.C12 ?.C13 ?.C14 ?.C15 ?.D1 ?.D2 ?.D3 ?.D4 ?.D5 ?.D6 ?.D7 ?.D8 ?.D9 ?.D10 ?.D11 ?.D12 ?.D13 ?.D14 ?.D15 ?.E1 ?.E2 ?.E3 ?.E4 ?.E12 ?.E13 ?.E14 ?.E15 ?.F1 ?.F2 ?.F3 ?.F4 ?.F6 ?.F7 ?.F8 ?.F9 ?.F10 ?.F12 ?.F13 ?.F14 ?.F15 ?.G1 ?.G2 ?.G3 ?.G4 ?.G6 ?.G7 ?.G8 ?.G9 ?.G10 ?.G12 ?.G13 ?.G14 ?.G15 ?.H1 ?.H2 ?.H3 ?.H4 ?.H6 ?.H7 ?.H8 ?.H9 ?.H10 ?.H12 ?.H13 ?.H14 ?.H15 ?.J1 ?.J2 ?.J3 ?.J4 ?.J6 ?.J7 ?.J8 ?.J9 ?.J10 ?.J12 ?.J13 ?.J14 ?.J15 ?.K1 ?.K2 ?.K3 ?.K4 ?.K6 ?.K7 ?.K8 ?.K9 ?.K10 ?.K12 ?.K13 ?.K14 ?.K15 ?.L1 ?.L2 ?.L3 ?.L4 ?.L12 ?.L13 ?.L14 ?.L15 ?.M1 ?.M2 ?.M3 ?.M4 ?.M5 ?.M6 ?.M7 ?.M8 ?.M9 ?.M10 ?.M11 ?.M12 ?.M13 ?.M14 ?.M15 ?.N1 ?.N2 ?.N3 ?.N4 ?.N5 ?.N6 ?.N7 ?.N8 ?.N9 ?.N10 ?.N11 ?.N12 ?.N13 ?.N14 ?.N15 ?.P1 ?.P2 ?.P3 ?.P4 ?.P5 ?.P6 ?.P7 ?.P8 ?.P9 ?.P10 ?.P11 ?.P12 ?.P13 ?.P14 ?.P15 ?.R1 ?.R2 ?.R3 ?.R4 ?.R5 ?.R6 ?.R7 ?.R8 ?.R9 ?.R10 ?.R11 ?.R12 ?.R13 ?.R14 ?.R15 Q1.1 Q1.2 Q1.3 Q2.1 Q2.2 Q2.3 R1.1 R1.2 R2.1 R2.2 R3.1 R3.2 R4.1 R4.2 R5.1 R5.2 R6.1 R6.2 T.1 T.2 U5.1 U5.2 U5.3 U5.4 U7.0 U7.1 U7.2 U7.3 U7.4 U7.5 U7.6 U7.7 U7.8 U7.9 U7.10 U7.11 U7.12 U7.13 U7.14 U7.15 U7.16 U7.17 U7.18 U7.19 U7.20 U7.21 U7.22 U7.23 U7.24 U7.25 U7.26 U7.27 U7.28 U10.1 U10.2 U10.3 U10.4 U10.5 U10.6 U10.7 U10.8 U10.9 U10.10 U10.11 U10.12 U10.13 U10.14 U10.15 U10.16 U10.17 U10.18 U10.19 U10.20 U10.21 U10.22 U10.23 U10.24 U10.25 U10.26 U10.27 U10.28 U10.29 U10.30 U10.31 U10.32 U10.33 U10.34 U10.35 U10.36 U10.37 U10.38 U10.39 U10.40 U10.41 U10.42 U10.43 U10.44 U10.45 U10.46 U10.47 U10.48 U12.1 U12.2 U12.3 U12.4 U12.5 U12.6 U12.7 U12.8 U12.9 U12.10 U12.11 U12.12 U12.13 U12.14 U12.15 U12.16 U12.17 U12.18 U12.19 U12.20 U12.21 U12.22 U12.23 U12.24 U12.25 U12.26 U12.27 U12.28 U12.29 U12.30 U12.31 U12.32 U12.33 U12.34 U12.35 U12.36 U12.37 U12.38 U12.39 U12.40 U12.41 U12.42 U12.43 U12.44 U12.45 U12.46 U12.47 U12.48 U12.49 U12.50 U12.51 U12.52 U12.53 U12.54 U12.55 U12.56 U12.57 U12.58 U12.59 U12.60 U12.61 U12.62 U12.63 U12.64 U12.65 U12.66 U12.67 U12.68 U12.69 U12.70 U12.71 U12.72 U12.73 U12.74 U12.75 U12.76 U12.77 U12.78 U12.79 U12.80 U12.81 U12.82 U12.83 U12.84 U12.85 U12.86 U12.87 U12.88 U12.89 U12.90 U12.91 U12.92 U12.93 U12.94 U12.95 U12.96 U12.97 U12.98 U12.99 U12.100 U13.1 U13.2 U13.3 U13.4 U13.5 U13.6 U13.7 U13.8 U13.9 U13.10 U13.11 U13.12 U13.13 U13.14 U13.15 U13.16 U13.17 U13.18 U13.19 U13.20 U13.21 U13.22 U13.23 U13.24 U13.25 U13.26 U13.27 U13.28 U13.29 U13.30 U13.31 U13.32 U13.33 U13.34 U13.35 U13.36 U13.37 U13.38 U13.39 U13.40 U13.41 U13.42 U13.43 U13.44 U13.45 U13.46 U13.47 U13.48 U13.49 U13.50 U13.51 U13.52 U13.53 U13.54 U13.55 U13.56 U13.57 U13.58 U13.59 U13.60 U13.61 U13.62 U13.63 U13.64 U13.65 U13.66 U13.67 U13.68 U13.69 U13.70 U13.71 U13.72 U13.73 U13.74 U13.75 U13.76 U13.77 U13.78 U13.79 U13.80 U13.81 U13.82 U13.83 U13.84 U13.85 U13.86 U13.87 U13.88 U13.89 U13.90 U13.91 U13.92 U13.93 U13.94 U13.95 U13.96 U13.97 U13.98 U13.99 U13.100 U13.101 U13.102 U13.103 U13.104 U13.105 U13.106 U13.107 U13.108 U13.109 U13.110 U13.111 U13.112 U13.113 U13.114 U13.115 U13.116 U13.117 U13.118 U13.119 U13.120 U13.121 U13.122 U13.123 U13.124 U13.125 U13.126 U13.127 U13.128 U13.129 U13.130 U13.131 U13.132 U13.133 U13.134 U13.135 U13.136 U13.137 U13.138 U13.139 U13.140 U13.141 U13.142 U13.143 U13.144